# Altium PCB cheriot-test.PcbDoc (part 2 of 12) (continued)
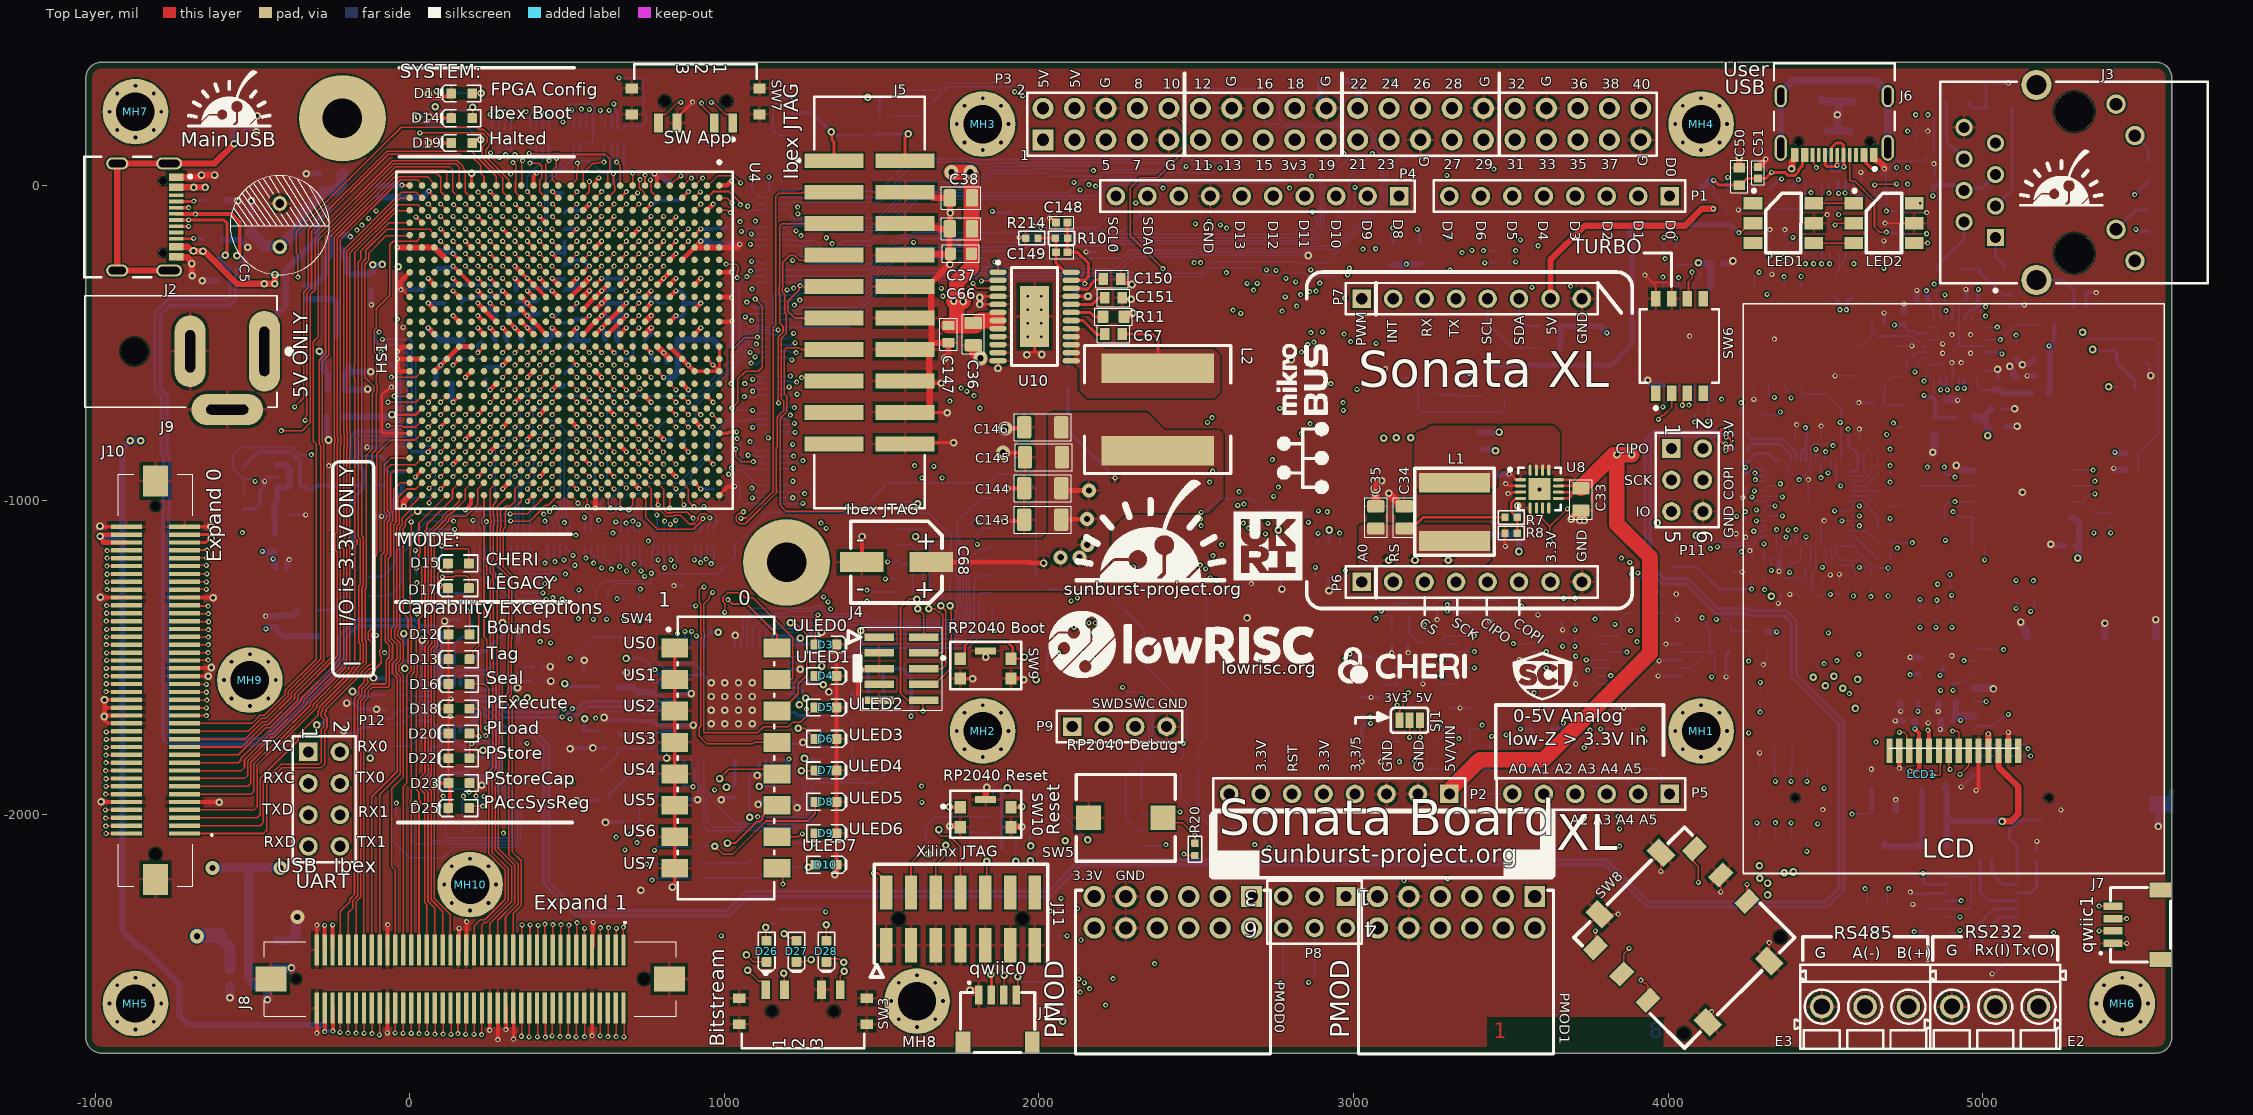
[diagram p0: Top Layer view]
## Footprints (in the part's own frame and the unit in brackets; to place one, negate y for a bottom-side part, rotate by r counter-clockwise, add the part's x,y. Pads: shape width x height; smd on the part's side, far side on the other; paste and mask are expansions set on the pad) (continued)
  round 1.5 hole 0.9: 2(0,2.54) 3(2.54,0) 4(2.54,2.54) 5(5.08,0) 6(5.08,2.54)
  silkscreen extent -1.27,-1.27 6.35,3.81, body extent -1.27,-1.23 6.35,3.77, height 7.01
HDR2X4_XG8T-0841 [mm] "Connector; Header; 4x2 Position"
  rect 1.5x1.5 hole 0.9: 1(0,0)
  round 1.5 hole 0.9: 2(0,2.54) 3(2.54,0) 4(2.54,2.54) 5(5.08,0) 6(5.08,2.54) 7(7.62,0) 8(7.62,2.54)
  silkscreen extent -1.27,-1.27 8.89,3.81, body extent -1.27,-1.23 8.89,3.77, height 2.63
HDR2X20_861400402YO2LF [mm] "Connector; Header; 20x2 Position"
  rect 1.7x1.7 hole 1: 1(0,0)
  round 1.7 hole 1: 2(0,2.54) 3(2.54,0) 4(2.54,2.54) 5(5.08,0) 6(5.08,2.54) 7(7.62,0) 8(7.62,2.54) 9(10.16,0) 10(10.16,2.54) 11(12.7,0) 12(12.7,2.54) 13(15.24,0) 14(15.24,2.54) 15(17.78,0) 16(17.78,2.54) 17(20.32,0) 18(20.32,2.54) 19(22.86,0) 20(22.86,2.54) 21(25.4,0) 22(25.4,2.54) 23(27.94,0) 24(27.94,2.54) 25(30.48,0) 26(30.48,2.54) 27(33.02,0) 28(33.02,2.54) 29(35.56,0) 30(35.56,2.54) 31(38.1,0) 32(38.1,2.54) 33(40.64,0) 34(40.64,2.54) 35(43.18,0) 36(43.18,2.54) 37(45.72,0) 38(45.72,2.54) 39(48.26,0) 40(48.26,2.54)
  silkscreen extent -1.27,-1.27 49.53,3.81, body extent -1.27,-1.27 49.53,3.81, height 9.61
IND_0603 [mm] "Chip Inductor, 2-Leads, Body 1.60x0.80mm, IPC Medium Density"
  rect 0.64x0.92 smd: 1(-0.73,0) 2(0.73,0)
  Top Layer pour cut-out: -0.686,0.457 0.838,0.457 0.838,-0.457 -0.686,-0.457
  silkscreen extent -1.27,-0.64 1.27,0.64, body extent -0.82,-0.43 0.82,0.43, height 0.9
LED-0603-BLUE [mm]
  round 0.254 on Mech15: 0(0,0)
  rrect25% 0.8x0.8 smd: A(-0.85,0) K(0.85,0)
  Top Layer pour cut-out: -0.5,0.5 0.5,0.5 0.5,-0.5 -0.5,-0.5
  silkscreen extent -1.55,-0.67 1.68,0.67, body extent -0.8,-0.4 0.8,0.4, height 0.75
LED-0603-GREEN [mm]
  round 0.254 on Mech15: 0(0,0)
  rrect25% 0.8x0.8 smd: A(-0.85,0) K(0.85,0)
  Top Layer pour cut-out: -0.5,0.5 0.5,0.5 0.5,-0.5 -0.5,-0.5
  silkscreen extent -1.55,-0.67 1.68,0.67, body extent -0.8,-0.4 0.8,0.4, height 0.75
LED-0603-RED [mm]
  round 0.254 on Mech15: 0(0,0)
  rrect25% 0.8x0.8 smd: A(-0.85,0) K(0.85,0)
  Top Layer pour cut-out: -0.5,0.5 0.5,0.5 0.5,-0.5 -0.5,-0.5
  silkscreen extent -1.55,-0.67 1.68,0.67, body extent -0.8,-0.4 0.8,0.4, height 0.75
MOUNT_M3_TIGHT#1 [mil]
  round 14 hole 12: 1(-82.21,0) 1(-58.13,-58.13) 1(-58.13,58.13) 1(0,-82.21) 1(0,82.21) 1(58.13,-58.13) 1(58.13,58.13) 1(82.21,0)
  round 208.66 hole 122.05: 1(0,0)
MOUNT_M3_TIGHT#2 [mil]
  round 14 hole 12: 1(-82.21,0) 1(-58.13,-58.13) 1(-58.13,58.13) 1(0,-82.21) 1(0,82.21) 1(0,82.21) 1(58.13,-58.13) 1(58.13,58.13) 1(82.21,0)
  round 208.66 hole 122.05: 1(0,0)
NR6028 [mm]
  rect 1.6x5.7 smd: 1(-2.35,0) 2(2.35,0)
  silkscreen extent -3.53,-3.2 3.51,3.2, body extent -3.15,-2.84 3.15,2.87, height 2.85
PAN_C10_POS1_NEG2 [mm]
  rect 3.5x1.6 smd: 1(2.8,0) 2(-2.8,0)
  silkscreen extent -3.68,-3.3 3.68,3.3, body extent -3.65,-3.3 3.65,3.3, height 9.91
PS_3_5_90_03 [mm] "PS 3.50/03/90 3.5"
  round 1.9 hole 1.3: A1(-3.5,0) A2(0,0) A3(3.5,0)
  silkscreen extent -5.7,-3.4 5.7,3.4, body extent -5.7,-3.4 5.7,3.4, height 8.41
PW0016A_L [mm] "SOP, 16-Leads, Body 5.1x4.5mm, Pitch 0.65mm, IPC High Density"
  rrect25% 1.2x0.4 smd: 1(-2.85,2.275) 2(-2.85,1.625) 3(-2.85,0.975) 4(-2.85,0.325) 5(-2.85,-0.325) 6(-2.85,-0.975) 7(-2.85,-1.625) 8(-2.85,-2.275) 9(2.85,-2.275) 10(2.85,-1.625) 11(2.85,-0.975) 12(2.85,-0.325) 13(2.85,0.325) 14(2.85,0.975) 15(2.85,1.625) 16(2.85,2.275)
  silkscreen extent -2.98,-2.55 1.85,3.15, body extent -3.21,-2.5 3.21,2.5, height 1
QFN16_50P300X300X100_HS-17M [mm] "QFN, 16-Leads, Body 3.00x3.00mm, Pitch 0.50mm, Thermal Pad 1.80x1.80mm, IPC Low Density"
  oval 0.9x0.25 smd: 1(-1.525,0.75) 2(-1.525,0.25) 3(-1.525,-0.25) 4(-1.525,-0.75) 9(1.525,-0.75) 10(1.525,-0.25) 11(1.525,0.25) 12(1.525,0.75)
  oval 0.25x0.9 smd: 5(-0.75,-1.525) 6(-0.25,-1.525) 7(0.25,-1.525) 8(0.75,-1.525) 13(0.75,1.525) 14(0.25,1.525) 15(-0.25,1.525) 16(-0.75,1.525)
  rect 1.8x1.8 smd: 17(0,0)
  silkscreen extent -2.5,-1.73 1.73,1.73, body extent -1.6,-1.6 1.6,1.6, height 1
QFN40P700X700X90-57N-D [mm]
  rect 0.85x0.2 smd: 1(-3.45,2.6) 2(-3.45,2.2) 3(-3.45,1.8) 4(-3.45,1.4) 5(-3.45,1) 6(-3.45,0.6) 7(-3.45,0.2) 8(-3.45,-0.2) 9(-3.45,-0.6) 10(-3.45,-1) 11(-3.45,-1.4) 12(-3.45,-1.8) 13(-3.45,-2.2) 14(-3.45,-2.6) 29(3.45,-2.6) 30(3.45,-2.2) 31(3.45,-1.8) 32(3.45,-1.4) 33(3.45,-1) 34(3.45,-0.6) 35(3.45,-0.2) 36(3.45,0.2) 37(3.45,0.6) 38(3.45,1) 39(3.45,1.4) 40(3.45,1.8) 41(3.45,2.2) 42(3.45,2.6)
  rect 0.2x0.85 smd: 15(-2.6,-3.45) 16(-2.2,-3.45) 17(-1.8,-3.45) 18(-1.4,-3.45) 19(-1,-3.45) 20(-0.6,-3.45) 21(-0.2,-3.45) 22(0.2,-3.45) 23(0.6,-3.45) 24(1,-3.45) 25(1.4,-3.45) 26(1.8,-3.45) 27(2.2,-3.45) 28(2.6,-3.45) 43(2.6,3.45) 44(2.2,3.45) 45(1.8,3.45) 46(1.4,3.45) 47(1,3.45) 48(0.6,3.45) 49(0.2,3.45) 50(-0.2,3.45) 51(-0.6,3.45) 52(-1,3.45) 53(-1.4,3.45) 54(-1.8,3.45) 55(-2.2,3.45) 56(-2.6,3.45)
  rect 3.2x3.2 smd: 57(0,0)
  silkscreen extent -3.98,3.1 -3.78,3.3, body extent -3.55,-3.55 3.55,3.55, height 0.9
QFN64_2_N [mm] "QFN, 64-Leads, Body 9x9mm, Pitch 0.5mm, Thermal Pad 4.5x4.5mm, IPC Medium Density"
  oval 0.75x0.25 smd: 1(-4.525,3.75) 2(-4.525,3.25) 3(-4.525,2.75) 4(-4.525,2.25) 5(-4.525,1.75) 6(-4.525,1.25) 7(-4.525,0.75) 8(-4.525,0.25) 9(-4.525,-0.25) 10(-4.525,-0.75) 11(-4.525,-1.25) 12(-4.525,-1.75) 13(-4.525,-2.25) 14(-4.525,-2.75) 15(-4.525,-3.25) 16(-4.525,-3.75) 33(4.525,-3.75) 34(4.525,-3.25) 35(4.525,-2.75) 36(4.525,-2.25) 37(4.525,-1.75) 38(4.525,-1.25) 39(4.525,-0.75) 40(4.525,-0.25) 41(4.525,0.25) 42(4.525,0.75) 43(4.525,1.25) 44(4.525,1.75) 45(4.525,2.25) 46(4.525,2.75) 47(4.525,3.25) 48(4.525,3.75)
  oval 0.25x0.75 smd: 17(-3.75,-4.525) 18(-3.25,-4.525) 19(-2.75,-4.525) 20(-2.25,-4.525) 21(-1.75,-4.525) 22(-1.25,-4.525) 23(-0.75,-4.525) 24(-0.25,-4.525) 25(0.25,-4.525) 26(0.75,-4.525) 27(1.25,-4.525) 28(1.75,-4.525) 29(2.25,-4.525) 30(2.75,-4.525) 31(3.25,-4.525) 32(3.75,-4.525) 49(3.75,4.525) 50(3.25,4.525) 51(2.75,4.525) 52(2.25,4.525) 53(1.75,4.525) 54(1.25,4.525) 55(0.75,4.525) 56(0.25,4.525) 57(-0.25,4.525) 58(-0.75,4.525) 59(-1.25,4.525) 60(-1.75,4.525) 61(-2.25,4.525) 62(-2.75,4.525) 63(-3.25,4.525) 64(-3.75,4.525)
  rect 4.5x4.5 smd: 65(0,0)
  silkscreen extent -5.46,-4.69 4.69,4.69, body extent -4.54,-4.54 4.54,4.54, height 1
R-PDSO-G24 [mm] "TI PowerPAD SSOP-24"
  oval 1.4x0.45 smd: 1(-2.95,3.575) 2(-2.95,2.925) 3(-2.95,2.275) 4(-2.95,1.625) 5(-2.95,0.975) 6(-2.95,0.325) 7(-2.95,-0.325) 8(-2.95,-0.975) 9(-2.95,-1.625) 10(-2.95,-2.275) 11(-2.95,-2.925) 12(-2.95,-3.575) 13(2.95,-3.575) 14(2.95,-2.925) 15(2.95,-2.275) 16(2.95,-1.625) 17(2.95,-0.975) 18(2.95,-0.325) 19(2.95,0.325) 20(2.95,0.975) 21(2.95,1.625) 22(2.95,2.275) 23(2.95,2.925) 24(2.95,3.575)
  rect 2.36x4.94 smd: 25(0,0)
  silkscreen extent -3.07,-3.95 1.85,4.47, body extent -3.2,-3.95 3.2,3.95, height 1.2
RESC1005X40N#1 [mm] "Chip Resistor, Body 1.0x0.5mm, EIA 0402, IPC Medium Density"
  round 0.2 on Mech16: 0(0,0)
  rrect20% 0.6x0.6 smd: 1(-0.5,0) 2(0.5,0)
  Top Layer pour cut-out: -0.325,0.375 -0.2,0.5 0.2,0.5 0.325,0.375 0.325,-0.375 0.2,-0.5 -0.2,-0.5 -0.325,-0.375
  silkscreen extent -1.05,-0.55 1.05,0.55, body extent -0.52,-0.27 0.53,0.28, height 0.4
RESC1005X40N#2 [mm] "Chip Resistor, Body 1.0x0.5mm, EIA 0402, IPC Medium Density"
  round 0.2 on Mech15: 0(0,0)
  rrect20% 0.6x0.6 smd: 1(-0.5,0) 2(0.5,0)
  Top Layer pour cut-out: -0.325,0.375 -0.2,0.5 0.2,0.5 0.325,0.375 0.325,-0.375 0.2,-0.5 -0.2,-0.5 -0.325,-0.375
  silkscreen extent -1.05,-0.55 1.05,0.55, body extent -0.52,-0.27 0.53,0.28, height 0.4
RESC1608X55N#1 [mm] "Chip Resistor, Body 1.6x0.8mm, EIA 0603, IPC Medium Density"
  round 0.254 on Mech15: 0(0,0)
  rrect25% 0.9x1 smd: 1(-0.85,0) 2(0.85,0)
  Top Layer pour cut-out: -0.6,0.5 0.6,0.5 0.6,-0.5 -0.6,-0.5
  silkscreen extent -1.5,-0.7 1.5,0.7, body extent -0.87,-0.47 0.88,0.48, height 0.54
RESC1608X55N#2 [mm] "Chip Resistor, Body 1.6x0.8mm, EIA 0603, IPC Medium Density"
  round 0.254 on Mech16: 0(0,0)
  rrect25% 0.9x1 smd: 1(-0.85,0) 2(0.85,0)
  Top Layer pour cut-out: -0.6,0.5 0.6,0.5 0.6,-0.5 -0.6,-0.5
  silkscreen extent -1.5,-0.7 1.5,0.7, body extent -0.87,-0.47 0.88,0.48, height 0.54
RESC2012X70N [mm] "Chip Resistor, Body 2.0x1.2mm, EIA 0805, IPC Medium Density"
  round 0.254 on Mech16: 0(0,0)
  rrect25% 0.8x1.3 smd: 1(-1,0) 2(1,0)
  Top Layer pour cut-out: -0.725,0.65 -0.525,0.85 0.525,0.85 0.725,0.65 0.725,-0.65 0.525,-0.85 -0.525,-0.85 -0.725,-0.65
  silkscreen extent -1.6,-0.85 1.6,0.85, body extent -1.1,-0.67 1.1,0.68, height 0.69
SAMTEC_SSW_106_02_X_D_RA_PMOD [mil]
  rect 66x66 hole 42: 1(0,0)
  round 68 hole 42: 2(0,-100) 3(0,-200) 4(0,-300) 5(0,-400) 6(0,-500) 7(100,0) 8(100,-100) 9(100,-200) 10(100,-300) 11(100,-400) 12(100,-500)
  silkscreen extent -20,-560 500,60, body extent -8,-560 495,60, height 195
SJ_2S_NO [mil] "Solder Jumper, open (no paste)"
  rect 25x50 smd paste-393.7: 1(-16.22,0) 2(16.22,0)
  silkscreen extent -43,-39 43,39
SJ_3S_NC12 [mil] "3-Way Solder Jumper, pads 1-2 closed"
  rect 25x50 smd: 1(-32.43,0) 2(0,0)
  rect 25x50 smd paste-393.7: 3(32.44,0)
  silkscreen extent -60,-39 59,39
SM04B-SRSS-TB(LFSN) [mm]
  rect 0.6x1.55 smd: 1(1.5,4.661) 2(2.5,4.661) 3(3.5,4.661) 4(4.5,4.661)
  rect 1.2x1.8 smd: 5(0.2,0.786) 6(5.8,0.786)
  silkscreen extent 0,0 6,5.7, body extent 0,0.28 6,5.23, height 2.97
SOIC8_NARROW [mm] "SOIC, 8-Leads, Body 5x4mm, Pitch 1.27mm, IPC Low Density"
  rrect15% 1.65x0.65 smd: 1(-2.825,1.905) 2(-2.825,0.635) 3(-2.825,-0.635) 4(-2.825,-1.905) 5(2.825,-1.905) 6(2.825,-0.635) 7(2.825,0.635) 8(2.825,1.905)
  silkscreen extent -2.95,-2.5 1.6,2.91, body extent -3,-2.45 3,2.45, height 1.63
SOT23-5P95_285X145L45X40 [mm] "Small Outline Transistor (SOT23), 0.95 mm pitch; 5 pin, 3.00 mm L X 1.60 mm W X 1.45 mm H body"
  rrect50% 0.6x1.05 smd: 1(-0.95,-1.35) 2(0,-1.35) 3(0.95,-1.35) 4(0.95,1.35) 5(-0.95,1.35)
  silkscreen extent -1.55,-0.85 1.55,0.85, body extent -1.5,-1.43 1.5,1.43, height 1.45
SOT95P237X112-3N [mm] "SOT23, 3-Leads, Body 2.92x2.37mm, Pitch 0.95mm, IPC Medium Density"
  rect 1x0.6 smd: 1(-1.2,0.95) 2(-1.2,-0.95) 3(1.2,0)
  silkscreen extent -1.32,-1.5 0.7,1.92, body extent -1.32,-1.52 1.32,1.52, height 1.12
SOT95P245X110-3M [mm] "SOT23, 3-Leads, Body 2.90x2.45mm, Pitch 0.95mm, IPC Low Density"
  rect 1.2x0.65 smd: 1(-1.3,0.95) 2(-1.3,-0.95) 3(1.3,0)
  silkscreen extent -1.42,-1.5 0.7,1.95, body extent -1.3,-1.5 1.3,1.5, height 1.1
SOT95P280X145-6N [mm] "SOT23, 6-Leads, Body 2.90x2.80mm, Pitch 0.95mm, IPC Medium Density"
  rect 1x0.6 smd: 1(-1.35,0.95) 2(-1.35,0) 3(-1.35,-0.95) 4(1.35,-0.95) 5(1.35,0) 6(1.35,0.95)
  silkscreen extent -1.47,-1.5 0.45,1.93, body extent -1.45,-1.5 1.45,1.5, height 1.45
SOT143B [mm] "SOT143, 4-Leads, Body 2.92x2.37mm, Pitch 1.90mm, IPC Medium Density"
  rect 1x1 smd: 1(-1.2,0.75)
  rect 1x0.6 smd: 2(-1.2,-0.95) 3(1.2,-0.95) 4(1.2,0.95)
  silkscreen extent -1.3,-1.5 0.7,1.65, body extent -1.18,-1.52 1.18,1.52, height 1.2
SOT-223 [mm] "SOT223, 4-Leads, Body 6.50x7.00mm (avg), Pitch 2.30mm, IPC Medium Density"
  rect 2.15x1 smd: 1(-2.925,2.3) 2(-2.925,0) 3(-2.925,-2.3)
  rect 2.15x3.25 smd: 4(2.925,0)
  silkscreen extent -3.05,-3.35 1.55,3.48, body extent -3.5,-3.35 3.5,3.35, height 1.8
TSSOP-ST14_M [mm] "TSOP, 14-Leads, Body 5x4.4mm, Pitch 0.65mm, IPC Low Density"
  oval 2x0.35 smd: 1(-2.9,1.95) 2(-2.9,1.3) 3(-2.9,0.65) 4(-2.9,0) 5(-2.9,-0.65) 6(-2.9,-1.3) 7(-2.9,-1.95) 8(2.9,-1.95) 9(2.9,-1.3) 10(2.9,-0.65) 11(2.9,0) 12(2.9,0.65) 13(2.9,1.3) 14(2.9,1.95)
  silkscreen extent -3.02,-2.55 1.5,2.8, body extent -2.25,-2.55 2.25,2.55, height 1.2
WS2813B_5x5 [mm]
  rect 1.5x1 smd: 1(-2.45,1.6) 2(-2.45,0) 3(-2.45,-1.6) 4(2.45,-1.6) 5(2.45,0) 6(2.45,1.6)
  silkscreen extent -2.5,-2.39 1.44,2.75
WSON68_Micron [mm]
  rect 1.061x0.392 smd paste+0 mask+0: 1(-3.926,1.905)
  rrect100% 1.061x0.392 smd paste+0 mask+0: 2(-3.926,0.635) 3(-3.926,-0.635) 4(-3.926,-1.905) 5(3.926,-1.905) 6(3.926,-0.635) 7(3.926,0.635) 8(3.926,1.905)
  rect 3.5x4.4 smd paste-1000 mask+0: 9(0,0)
  silkscreen extent -5.38,-3 4,3, body extent -4,-3 4,3, height 0.8
XAL1060-222 [mil] "Coilcraft High Temperature Shielded Power Inductors"
  rect 94x358 smd: 1(-131,0) 2(131,0)
  silkscreen extent -204,-233 204,233, body extent -207,-232 207,232, height 236

## Part data
C1 C2 C3 C11 C12 C13 C19 C20 C28 C29 C30 C32 C39 C41 C110 C111 C121 C156 C157 C158 C160 C161: library part CCHIP-2u2-0603, "2u2, 0603", Case-EIA=0603, Case-Metric=1608, Manufacture 1=Samsung, Manufacture Part Number 1=CL10B225KP8NNNC, Rated Voltage=10VDC, Supplier Part Number 1=1276-1134-2-ND, Component Group=Capacitor, Component Type=Standard, Mounting Technology=SMT, Part Number=CCHIP-2u2-0603, Pin Count=2, Supplier 1=Digi-Key
C4 C6 C7 C8 C9 C10 C14 C15 C16 C17 C18 C21 C22 C23 C24 C25 C26 C27 C43 C44 C46 C48 C49 C51 C53 C54 C55 C56 C60 C61 C62 C63 C64 C65 C71 C74 C75 C79 C80 C83 C84 C85 C86 C87 C88 C89 C90 C91 C94 C97 C99 C102 C112 C114 C116 C117 C118 C119 C120 C122 C134 C135 C136 C137 C138 C139 C140 C141 C142 C152 C153 C154 C155 C159: library part CCHIP-100n-0402, "100n, 0402", Case-EIA=0402, Manufacture Part Number 1=CGA2B3X7R1V104K050BB, Supplier Part Number 1=445-6901-1-ND, Component Group=Capacitor, Component Type=Standard, Mounting Technology=SMT, Part Number=CCHIP-100n-0402, Pin Count=2, Supplier 1=Digi-Key
C5: library part Cap_16v_680uF, "Aluminum electrolytic 680uF, 8x16mm, radial", Component Group=Capacitor, Component Type=Standard, Mounting Technology=Through-hole, Part Number=Cap_16v_680uF, Pin Count=2, PP Material Stack=0, PP Rotation=0
C31 C40 C127 C128 C129 C130 C131 C132 C133: library part CCHIP-100n-0402, "100n, 0402", Case-EIA=0402, Supplier Part Number 1=445-6901-1-ND, Component Group=Capacitor, Component Type=Standard, Mounting Technology=SMT, Part Number=CCHIP-100n-0402, Pin Count=2, Supplier 1=Digi-Key
C33 C34 C35 C36 C37 C38: library part CCHIP-22u-0805-16V, "22u, 16V, 0805, Ceramic", Case-EIA=0805, Case-Metric=1608, Manufacture 1="Samsung Electro-Mechanics", Manufacture Part Number 1=CL21A226MOCLRNC, Rated Voltage=16VDC, Supplier Part Number 1=1276-6780-1-ND, Tolerance=20%, Component Group=Capacitor, Component Type=Standard, Mounting Technology=SMT, Part Number=CCHIP-22u-0805-16V, Pin Count=2, RoHS=Yes, Supplier 1=Digi-Key
C42 C45 C47 C57 C81 C82: library part CCHIP-1u-0603, "1u, 0603, 50V", Case-EIA=0603, Case-Metric=1608, Manufacture Part Number 1=CL10A105KB8NNNC, Rated Voltage=50VDC, Supplier Part Number 1=1276-1860-1-ND, Component Group=Capacitor, Component Type=Standard, Mounting Technology=SMT, Part Number=CCHIP-1u-0603, Pin Count=2, Supplier 1=Digi-Key
C50 C69 C70 C72 C73 C76 C100 C101 C123 C124 C125 C126: library part CCHIP-2u2-0603, "2u2, 0603", Case-EIA=0603, Case-Metric=1608, Manufacture 1=Samsung, Manufacture Part Number 1=CL10B225KP8NNNC, Rated Voltage=10VDC, Supplier Part Number 1=1276-1134-1-ND, Component Group=Capacitor, Component Type=Standard, Mounting Technology=SMT, Part Number=CCHIP-2u2-0603, Pin Count=2, Supplier 1=Digi-Key
C52 C67: library part CCHIP-100n-0603, "100n, 0603", Case-EIA=0603, Case-Metric=1608, Manufacture 1=Kemet, Manufacture Part Number 1=C0603C104K5RACTU, Rated Voltage=50VDC, Supplier Part Number 1=399-5089-2-ND, Component Group=Capacitor, Component Type=Standard, Mounting Technology=SMT, Part Number=CCHIP-100n-0603, Pin Count=2, Supplier 1=Digi-Key
C58 C147: library part CCHIP-2u2-0603-25V, "2u2, 0603", Case-EIA=0603, Case-Metric=1608, Manufacture 1="Murata Electronics North America", Manufacture Part Number 1=GRM188R61E225MA12D, Rated Voltage=25VDC, Supplier Part Number 1=490-12738-1-ND, Tolerance=±20%, Component Group=Capacitor, Component Type=Standard, Mounting Technology=SMT, Part Number=CCHIP-2u2-0603-25V, Pin Count=2, RoHS=Yes, Supplier 1=Digi-Key
C59: library part CCHIP-470n-0603-50V, "470n, 0603, 50V", Case-EIA=0603, Manufacture 1="Taiyo Yuden", Manufacture Part Number 1=UMK107B7474KA-TR, Rated Voltage=50VDC, Supplier Part Number 1=587-3170-1-ND, Temperature Range="-55C to 125C", Component Group=Capacitor, Component Type=Standard, Mounting Technology=SMT, Part Number=CCHIP-470n-0603-50V, Pin Count=2, RoHS=Yes, Supplier 1=Digi-Key
C66: library part CCHIP-2N4-0603-50V, "CAP CER 2400PF 50V C0G/NP0 0603", Case-EIA=0603, Case-Metric=1608, Manufacture 1="Murata Electronics North America", Manufacture Part Number 1=GRM1885C1H242JA01D, Rated Voltage=50V, Supplier Part Number 1=490-3282-1-ND, Tolerance=±5%, Component Group=Capacitor, Component Type=Standard, Mounting Technology=SMT, Part Number=CCHIP-2N4-0603-50V, Pin Count=2, PP Material Stack=0, PP Rotation=0, Supplier 1=Digi-Key
C68: library part 2SVPE1200M, "CAP ALUM POLY 1200UF 2.5V SMD", Manufacture 1="Panasonic Electronic Components", Supplier Part Number 1=P16556TR-ND, Component Group=Capacitor, Component Type=Standard, Manufacture Part Number 1=2SVPE1200M, Mounting Technology=SMT, Part Number=2SVPE1200M, Pin Count=2, PP Material Stack=0, PP Rotation=0, Supplier 1=Digi-Key
C77 C78 C92 C93 C95 C96 C108 C109: library part CCHIP-18p-0402, "18p, 0402", Case-EIA=0402, Manufacture Part Number 1=GRM1555C1H180JA01D, Supplier Part Number 1=490-5858-1-ND, Component Group=Capacitor, Component Type=Standard, Mounting Technology=SMT, Part Number=CCHIP-18p-0402, Pin Count=2, Supplier 1=Digi-Key
C98 C103 C104 C105 C106 C107: library part CCHIP-24p-0402, "24p, 0402", Case-EIA=0402, Case-Metric=1005, Manufacture 1="Murata Electronics", Manufacture Part Number 1=GCM1555C1H240FA16D, Rated Voltage=50V, Supplier Part Number 1=490-GCM1555C1H240FA16DTR-ND, Component Group=Capacitor, Component Type=Standard, Mounting Technology=SMT, Part Number=CCHIP-24p-0402, Pin Count=2, RoHS=Yes, Supplier 1=Digi-Key
C113 C115: library part CCHIP-2u2-0603-16V, "2u2, 0603", Case-EIA=0603, Case-Metric=1608, Manufacture 1="Taiyo Yuden", Manufacture Part Number 1=EMK107BJ225KA-T, Rated Voltage=16VDC, Supplier Part Number 1=587-1430-1-ND, Component Group=Capacitor, Component Type=Standard, Mounting Technology=SMT, Part Number=CCHIP-2u2-0603-16V, Pin Count=2, Supplier 1=Digi-Key
C143 C144 C145 C146: library part CCHIP-100u-1206, "CAP CER 100UF 6.3V X5R 1206", Case-EIA=1206, Case-Metric=3216, Manufacture 1="Murata Electronics", Manufacture Part Number 1=GRM31CR60J107ME39L, Rated Voltage=6.3VDC, Supplier Part Number 1=490-4539-2-ND, Component Group=Capacitor, Component Type=Standard, Mounting Technology=SMT, Part Number=CCHIP-100u-1206, Pin Count=2, Supplier 1=Digi-Key
C148 C149: library part CCHIP-DNM-0402, "DNM, 0402", Case-EIA=0402, Component Group=Capacitor, Component Type=Standard, Mounting Technology=SMT, Part Number=CCHIP-DNM-0402, Pin Count=2
C150: library part CCHIP-10n-0603, "10n, 0603", Case-EIA=0603, Case-Metric=1608, Supplier Part Number 1=399-1091-1-ND, Component Group=Capacitor, Component Type=Standard, Mounting Technology=SMT, Part Number=CCHIP-10n-0603, Pin Count=2, Supplier 1=Digi-Key
C151: library part CCHIP-3u3-0603, "3u3, 0603", Case-EIA=0603, Case-Metric=1608, Manufacture 1=Samsung, Manufacture Part Number 1=CL10B335KP8NNNC, Rated Voltage=10VDC, Supplier Part Number 1=1276-2041-1-ND, Component Group=Capacitor, Component Type=Standard, Mounting Technology=SMT, Part Number=CCHIP-3u3-0603, Pin Count=2, Supplier 1=Digi-Key
D3 D6: library part LEDCHIP_0603_BLUE, "Chip LED, Blue", Manufacture 1=Kingbright, Manufacture Part Number 1=APT1608QBC/D, Supplier Part Number 1=754-1434-1-ND, Component Group=Optical, Component Type=Standard, Mounting Technology=SMT, Part Number=LEDCHIP_0603_BLUE, Pin Count=2, Supplier 1=Digi-Key
D4 D7 D9 D11 D14 D15 D26 D27 D28: library part LEDCHIP_0603_GREEN, "Chip LED, Green", Manufacture 1=Kingbright, Manufacture Part Number 1=APT1608CGCK, Supplier Part Number 1=754-1116-1-ND, Component Group=Optical, Component Type=Standard, Mounting Technology=SMT, Part Number=LEDCHIP_0603_GREEN, Pin Count=2, PP Material Stack=16, PP Rotation=-90, Supplier 1=Digi-Key
D5 D8 D10 D12 D13 D16 D17 D18 D19 D20 D22 D23 D25: library part LEDCHIP_0603_RED, "Chip LED, Red", Manufacture 1=Kingbright, Manufacture Part Number 1=APT1608SURCK, Supplier Part Number 1=754-1123-1-ND, Component Group=Optical, Component Type=Standard, Mounting Technology=SMT, Part Number=LEDCHIP_0603_RED, Pin Count=2, PP Material Stack=15, PP Rotation=-90, Supplier 1=Digi-Key
E2 E3: library part CMP-1559-01636-1, "OMNIMATE Signal - series PS", Colour=Orange, Manufacturer=Weidmueller, Rated_current_use_group_B_UL_1059="10 A", Rated_voltage_for_surge_voltage_class_pollution_degree_II_2="320 V", Rated_voltage_use_group_B_UL_1059="300 V", UL_94_flammability_rating=V-0, ComponentLink1Description="Manufacturer URL", ComponentLink1URL=http://www.weidmueller.com/, ComponentLink2Description="URL Link1", ComponentLink2URL=http://catalog.weidmueller.com/catalog/Start.do?localeId=en&ObjectID=1912330000, Contact_material=Cu-Leg, Contact_surface=tinned, Insulating_material="Wemid (PA)", Mounting_onto_the_PCB="Solder connection", No_of_poles=3, PackageReference=PS_3_5_90_03, Packaging=Box, PartNumber=1912330000, Pitch_inch="0,138 inch", Pitch_mm="3,5 mm", Qty="100 PCS", Revision=V1, Short_text_for_material="PS 3.50/03/90 3.5SN OR BX", Side_termination_characteristic="closed side", Solder_pin_length_mm="3,5 mm", Solid_max_H05_07_V_U="1,5 mm²", Solid_min_H05_07_V_U="0,2 mm²", Wire_cross_section_AWG_max_UL_1059="AWG 16", Wire_cross_section_AWG_min_UL_1059="AWG 28"
HS1: "Heatsink, 29mm square", Manufacture 1=Wakefield-Vette, Supplier Part Number 1=345-1834-ND, Component Group=Mechanical, Component Type=Standard, Manufacture Part Number 1=960-29-18-D-AB-0, Part Number=960-29-18-D-AB-0, PP Material Stack=0, PP Rotation=0, PP Rotation1=0, Supplier 1=Digi-Key
J1 J7: "Connector", Arrow Part Number=SM04B-SRSS-TB(LF)(SN), Manufacturer_Name="JST (JAPAN SOLDERLESS TERMINALS)", Arrow Price/Stock=https://www.arrow.com/en/products/sm04b-srss-tb-lf-sn/jst-manufacturing?region=europe, Datasheet Link=http://www.jst-mfg.com/product/pdf/eng/eSH.pdf, Manufacturer_Part_Number=SM04B-SRSS-TB(LF)(SN)
J2 J6: library part CMP-245163-000001-1, "CONN RCPT USB2.0 TYPEC 5A", Current Rating=5/6.25/1.25/0.25A, Manufacturer=GCT, Package=0, Temperature="-40°C to +85°C", Temperature Range High=+85°C, Temperature Range Low=-40°C, Voltage Rating=20V, Automotive=No, Category=Conn, ComponentLink2Description=Datasheet, ComponentLink2URL=https://gct.co/files/drawings/usb4105.pdf, Conn Orientation="Right Angle", Contact Material=Gold,Nickel, Device Class L1=Connectors, Device Class L2="USB Connectors", Device Class L3=unset, Digikey Description="CONN RCPT USB2.0 TYPEC 5A", Height=3.46mm, Is Female=yes, Lead Free=Yes, Manufacturer Part Number=USB4105-GF-A, Number of Contacts=16, Octopart=https://octopart.com/usb4105-gf-a-gct-106627878, RoHS=TRUE, Usb Standard="USB 2.0"
J3: library part CMP-16436-000005-1, "CONN JACK 1PORT 100 BASE-TX PCB", Color=Green, Current Rating=8mA, Max Operating Temperature=70°C, Min Operating Temperature=0°C, Package Quantity=30, Connector Type=RJ45, Contact Material=Bronze, Contact Plating=Gold, Depth=21.59mm, Direction=Down, Gender=Female, Housing Material=Thermoplastic, Lead Free="Lead Free", Length=16.26mm, Mount="Through Hole", Number of Contacts=8, Number of Cores per Jack=4, Number of Ports=1, Number of Positions Loaded=8, Number of Rows=1, Orientation="Right Angle", Packaging=Rail/Tube, Pitch=2.54mm, Radiation Hardening=No, Series="STARJACK™ J00", Shielding=Shielded, Termination=Solder
J4: library part Cortex_Debug_Header_10Pin, "10 Pin Cortex Program & Debug 0.5mm pitch", Manufacture Part Number 1=20021121-00010C4LF, Supplier Part Number 1=609-3695-1-ND, Component Group=Connector, Component Type=Standard, Mounting Technology=SMT, Part Number=Cortex_Debug_Header_10Pin, Pin Count=10, PP Material Stack=0, PP Rotation=0, RoHS=Yes, Supplier 1=Digi-Key
J5: "WR-BHD Male Box Header, SMT Straight, pitch 2.54mm, 2 row, 20 pin", Contact Resistance=20mOhm, Insulation Resistance=1000MOhm, Manufacturer="Wurth Elektronik", Operating Temperature Max=125°C, Operating Temperature Min=-40°C, Rated Current=3A, Withstanding Voltage=500V, Working Voltage=250V, Category="Wire-to-Board Connectors", ComponentLink1Description="Website Link", ComponentLink1URL=https://www.we-online.com/redexpert/article/61232020621?ad, ComponentLink2Description="Datasheet Link", ComponentLink2URL=https://www.we-online.com/redexpert/spec/61232020621?ad, Gender=Male, Height=9.1mm, Length=33.2mm, Manufacturer Part Number=61232020621, Match Code=WR-BHD, Mount="Surface Mount", Number of Pins=20, Number of Rows=2, Orientation=Straight, Packaging="Tape and Reel with Cap", Pitch=2.54mm, Width=9.1mm
J8 J10: "Connector", Manufacturer_Name=Molex, Arrow Part Number=0528850874, Arrow Price/Stock=https://www.arrow.com/en/products/0528850874/molex, Datasheet Link=https://www.molex.com/pdm_docs/sd/528850874_sd.pdf, Height=4.2mm, Manufacturer_Part_Number=0528850874
J9: library part CUI_PJ-058BH, "CONN PWR JACK 2.5X5.5MM SOLDER", Manufacture 1="CUI Inc.", Manufacture Part Number 1=PJ-058BH, Rated Power=5A, Supplier Part Number 1=CP-058BH-ND, Component Group=Connector, Component Type=Standard, Mounting Technology=Through-hole, Part Number=CUI_PJ-058BH, Pin Count=3, PP Material Stack=0, PP Rotation=0, RoHS=Yes, Supplier 1=Digi-Key
J11: "Molex 14-pin SMD, JTAG Pinout", Manufacture 1=Molex, Manufacture 1 Part Number=87832-1420, Supplier Part Number 1=WM18641-ND, Supplier 1=Digi-Key
L1: library part NR6028T4R7M, "fixed ind, ferrite, shielded", Case-Metric=6060, Manufacture 1="Taiyo Yuden", Supplier Part Number 1=587-2100-1-ND, Component Group=Inductor, Component Type=Standard, Manufacture Part Number 1=NR6028T4R7M, Mounting Technology=SMT, Part Number=NR6028T4R7M, Pin Count=2, Supplier 1=Digi-Key
L2: library part XAL1060-222MEB, "2.2uH, 14A RMS", Manufacture 1=Coilcraft, Component Group=Inductor, Component Type=Standard, Manufacture Part Number 1=XAL1060-222MEB, Part Number=XAL1060-222MEB, Pin Count=2, PP Material Stack=0, PP Rotation=0, PP Rotation1=0, Supplier 1=Mouser
L3: library part FBCHIP-600R-0603, "600 Ohm @ 100 MHz, 0.5A rated FB", Case-EIA=0603, Case-Metric=1608, Manufacture 1="Murata Electronics", Manufacture Part Number 1=BLM18AG601SN1D, Rated Power=0.5A, Supplier Part Number 1=490-1014-2-ND, Component Group=Inductor, Component Type=Standard, Part Number=FBCHIP-600R-0603, Pin Count=2, PP Material Stack=0, PP Rotation=0, Supplier 1=Digi-Key
L5 L6 L7 L8 L9: library part FBCHIP-1k-0603, "Ferrite Beads HI CUR CHIP BD 0603 1000OHMS 25%", Manufacture 1="Taiyo Yuden", Manufacture Part Number 1="FBMH1608HM102-T / FBMH1608HM102-T / FBMH1608HM102-T / FBMH1608HM102-T", Supplier Part Number 1=963-FBMH1608HM102-T, Component Group=Inductor, Component Type=Standard, Mounting Technology=SMT, Part Number=FBCHIP-1k-0603, Pin Count=2, PP Material Stack=0, PP Rotation=0, RoHS=Yes, Supplier 1=Mouser
LCD1: library part LCD1.8INCH_ADAFRUIT618, Component Group=Optical, Component Type=Standard, Part Number=LCD1.8INCH_ADAFRUIT618, Pin Count=14, PP Material Stack=0, PP Rotation=0, PP Rotation1=0
LED1 LED2: library part WS2813B_5x5, "WS2813B, 5x5 SMD Neopixel", Manufacture 1="Seeed Studio", Manufacture Part Number 1=601000200, Component Group=Optical, Component Type=Standard, Part Number=WS2813B_5x5, Pin Count=6, PP Material Stack=0, PP Rotation=0, PP Rotation1=0
MH1 MH2 MH3 MH4 MH5 MH6 MH7 MH8 MH9 MH10: library part MOUNT_M3_TIGHT, "Machine screw M3 Mounting Hole", Component Group=Mechanical, Component Type=Mechanical, Part Number=MOUNT_M3_TIGHT, Pin Count=1, PP Material Stack=0, PP Rotation=0
P1 P2 P6 P7: "Header, 8-Pin", LatestRevisionDate=17-Jul-2002, LatestRevisionNote="Re-released for DXP Platform.", Publisher="Altium Limited"
P3: "Header, 20-Pin, Dual row", LatestRevisionDate=17-Jul-2002, LatestRevisionNote="Re-released for DXP Platform.", Publisher="Altium Limited"
P4: "Header, 10-Pin", LatestRevisionDate=17-Jul-2002, LatestRevisionNote="Re-released for DXP Platform.", Publisher="Altium Limited"
P5: "Header, 6-Pin", LatestRevisionDate=17-Jul-2002, LatestRevisionNote="Re-released for DXP Platform.", Publisher="Altium Limited"
P8 P11: "Header, 3-Pin, Dual row", LatestRevisionDate=17-Jul-2002, LatestRevisionNote="Re-released for DXP Platform.", Publisher="Altium Limited"
P9: "Header, 4-Pin", LatestRevisionDate=17-Jul-2002, LatestRevisionNote="Re-released for DXP Platform.", Publisher="Altium Limited"
P12: "Header, 4-Pin, Dual row", LatestRevisionDate=17-Jul-2002, LatestRevisionNote="Re-released for DXP Platform.", Publisher="Altium Limited"
PMOD0 PMOD1: library part PMOD_2ROW_FEMALERATH, Supplier Part Number 1=SAM1215-06-ND, Component Group=Connector, Component Type=Standard, Part Number=PMOD_2ROW_FEMALERATH, Pin Count=12, PP Material Stack=0, PP Rotation=0, PP Rotation1=0, Supplier 1=Digi-Key
Q1 Q4 Q5 Q6: "P-Channel, 3A, Logic Level", Manufacture 1="Diodes Inc.", Supplier Part Number 1=DMP2123LQ-7DICT-ND, Component Group=MOSFET, Component Type=Standard, Manufacture Part Number 1=DMP2123LQ-7, Mounting Technology=SMT, Part Number=DMP2123LQ-7, Pin Count=3, Supplier 1=Digi-Key
Q2: "MOSFET N-CH 30V 2.2A SOT23-3", Manufacture 1="Diodes Inc.", Rated Power=3A, Rated Voltage=30V, Supplier Part Number 1=DMN3200U-7DICT-ND, Component Group=MOSFET, Component Type=Standard, Manufacture Part Number 1=DMN3200U-7, Mounting Technology=SMT, Part Number=DMN3200U-7, Pin Count=3, PP Material Stack=0, PP Rotation=0, RoHS=Yes, Supplier 1=Digi-Key
Q3 Q7: library part DMN3200U-7, "MOSFET N-CH 30V 2.2A SOT23-3", Rated Power=0.22A, Rated Voltage=30V, Component Group=MOSFET, Component Type=Standard, Manufacture Part Number 1=BSS138, Mounting Technology=SMT, Part Number=BSS138, Pin Count=3, PP Material Stack=0, PP Rotation=0, RoHS=Yes, Supplier 1=Digi-Key
R1 R4: library part RCHIP-5K1-0603, "5k1 res, 0603, 1%, 1/10W", Case-EIA=0603, Case-Metric=1608, Manufacture 1=Yageo, Manufacture Part Number 1=RC0603FR-075K1L, Rated Power=0.1W, Rated Voltage=75VDC, Supplier Part Number 1=311-5.10KHRCT-ND, Temperature Range="-55C to 155C", Tolerance=1%, Component Group=Resistor, Component Type=Standard, Mounting Technology=SMT, Part Number=RCHIP-5K1-0603, Pin Count=2, Supplier 1=Digi-Key
R2 R12 R13 R118 R119 R120 R121 R135: library part RCHIP-100K-0402, "100k res, 0402, 1%, 1/16W", Case-EIA=0402, Case-Metric=1005, Manufacture 1=Yageo, Manufacture Part Number 1=RC0402FR-07100KL, Rated Power=0.063W, Rated Voltage=75VDC, Supplier Part Number 1=311-100KLRCT-ND, Temperature Range="-55C to 155C", Tolerance=1%, Component Group=Resistor, Component Type=Standard, Mounting Technology=SMT, Part Number=RCHIP-100K-0402, Pin Count=2, Supplier 1=Digi-Key
R3 R7 R14 R20 R30 R32 R45 R46 R54 R62 R64 R67 R71 R133 R160 R161 R162 R163 R164 R165 R166 R199 R205 R211: library part RCHIP-10K-0402, "10k res, 0402, 1%, 1/16W", Case-EIA=0402, Case-Metric=1005, Manufacture 1=Yageo, Manufacture Part Number 1=RC0402FR-0710KL, Rated Power=0.063W, Rated Voltage=75VDC, Supplier Part Number 1=311-10.0KLRCT-ND, Temperature Range="-55C to 155C", Tolerance=1%, Component Group=Resistor, Component Type=Standard, Mounting Technology=SMT, Part Number=RCHIP-10K-0402, Pin Count=2, Supplier 1=Digi-Key
R5 R6 R21 R39 R134 R136 R137: library part RCHIP-1K-0603, "1k res, 0603, 1%, 1/10W", Case-EIA=0603, Case-Metric=1608, Manufacture 1=Yageo, Manufacture Part Number 1=RC0603FR-071KL, Rated Power=0.1W, Rated Voltage=75VDC, Supplier Part Number 1=311-1.00KHRCT-ND, Temperature Range="-55C to 155C", Tolerance=1%, Component Group=Resistor, Component Type=Standard, Mounting Technology=SMT, Part Number=RCHIP-1K-0603, Pin Count=2, Supplier 1=Digi-Key
R8 R44 R215 R216: library part RCHIP-2K2-0402, "2k2 res, 0402, 1%, 1/16W", Case-EIA=0402, Case-Metric=1005, Manufacture 1=Yageo, Manufacture Part Number 1=RC0402FR-072K2L, Rated Power=0.063W, Rated Voltage=75VDC, Supplier Part Number 1=311-2.20KLRCT-ND, Temperature Range="-55C to 155C", Tolerance=1%, Component Group=Resistor, Component Type=Standard, Mounting Technology=SMT, Part Number=RCHIP-2K2-0402, Pin Count=2, Supplier 1=Digi-Key
R9: library part RCHIP-51R-0603, "51R res, 0603, 1%, 1/10W", Case-EIA=0603, Case-Metric=1608, Manufacture 1=Yageo, Manufacture Part Number 1=RC0603FR-0751RL, Rated Power=0.1W, Rated Voltage=75VDC, Supplier Part Number 1=311-51.0HRCT-ND, Temperature Range="-55C to 155C", Tolerance=1%, Component Group=Resistor, Component Type=Standard, Mounting Technology=SMT, Part Number=RCHIP-51R-0603, Pin Count=2, Supplier 1=Digi-Key
R10: library part RCHIP-14K7-0402, "14k7 res, 0402, 1%, 1/16W", Case-EIA=0402, Case-Metric=1005, Manufacture 1=Yageo, Manufacture Part Number 1=RC0402FR-0714K7L, Rated Power=0.063W, Rated Voltage=75VDC, Supplier Part Number 1=311-14.7KLRCT-ND, Temperature Range="-55C to 155C", Tolerance=1%, Component Group=Resistor, Component Type=Standard, Mounting Technology=SMT, Part Number=RCHIP-14K7-0402, Pin Count=2, Supplier 1=Digi-Key
R11 R31: library part RCHIP-1K5-0603, "1k5 res, 0603, 1%, 1/10W", Case-EIA=0603, Case-Metric=1608, Manufacture 1=Yageo, Manufacture Part Number 1=RC0603FR-071K5L, Rated Power=0.1W, Rated Voltage=75VDC, Supplier Part Number 1=311-1.50KHRCT-ND, Temperature Range="-55C to 155C", Tolerance=1%, Component Group=Resistor, Component Type=Standard, Mounting Technology=SMT, Part Number=RCHIP-1K5-0603, Pin Count=2, Supplier 1=Digi-Key
R15 R17 R18 R72 R75 R84 R91 R98 R105 R112: library part RCHIP-100K-0603, "100k res, 0603, 1%, 1/10W", Case-EIA=0603, Case-Metric=1608, Manufacture 1=Yageo, Manufacture Part Number 1=RC0603FR-07100KL, Rated Power=0.1W, Rated Voltage=75VDC, Supplier Part Number 1=311-100KHRCT-ND, Temperature Range="-55C to 155C", Tolerance=1%, Component Group=Resistor, Component Type=Standard, Mounting Technology=SMT, Part Number=RCHIP-100K-0603, Pin Count=2, Supplier 1=Digi-Key
R16: library part RCHIP-12K-0402, "12k res, 0402, 1%, 1/16W", Case-EIA=0402, Case-Metric=1005, Manufacture 1=Yageo, Manufacture Part Number 1=RC0402FR-0712KL, Rated Power=0.063W, Rated Voltage=75VDC, Supplier Part Number 1=311-12.0KLRCT-ND, Temperature Range="-55C to 155C", Tolerance=1%, Component Group=Resistor, Component Type=Standard, Mounting Technology=SMT, Part Number=RCHIP-12K-0402, Pin Count=2, Supplier 1=Digi-Key
R19 R122 R123 R124: library part RCHIP-0R-0603, "0R, 0603, 1/10W", Case-EIA=0603, Case-Metric=1608, Manufacture 1=Yageo, Manufacture Part Number 1=RC0603FR-070RL, Rated Power=0.1W, Rated Voltage=75VDC, Supplier Part Number 1=311-0.0HRCT-ND, Temperature Range="-55C to 155C", Tolerance=1%, Component Group=Resistor, Component Type=Standard, Mounting Technology=SMT, Part Number=RCHIP-0R-0603, Pin Count=2, Supplier 1=Digi-Key
R22 R24 R26 R28 R34 R35 R36 R41 R208 R209 R213: library part RCHIP-DNM-0603, "Do Not Mount Resistor", Case-EIA=0603, Case-Metric=1608, Component Group=Resistor, Component Type=Standard, Mounting Technology=SMT, Part Number=RCHIP-DNM-0603, Pin Count=2
R23: library part RCHIP-47K-0402, "47k res, 0402, 1%, 1/16W", Case-EIA=0402, Case-Metric=1005, Manufacture 1=Yageo, Manufacture Part Number 1=RC0402FR-0747KL, Rated Power=0.063W, Rated Voltage=75VDC, Supplier Part Number 1=311-47.0KLRCT-ND, Temperature Range="-55C to 155C", Tolerance=1%, Component Group=Resistor, Component Type=Standard, Mounting Technology=SMT, Part Number=RCHIP-47K-0402, Pin Count=2, Supplier 1=Digi-Key
R25 R214: library part RCHIP-22K-0402, "22k res, 0402, 1%, 1/16W", Case-EIA=0402, Case-Metric=1005, Manufacture 1=Yageo, Manufacture Part Number 1=RC0402FR-0722KL, Rated Power=0.063W, Rated Voltage=75VDC, Supplier Part Number 1=311-22.0KLRCT-ND, Temperature Range="-55C to 155C", Tolerance=1%, Component Group=Resistor, Component Type=Standard, Mounting Technology=SMT, Part Number=RCHIP-22K-0402, Pin Count=2, Supplier 1=Digi-Key
R27 R29: library part RCHIP-33R-0603, "33R res, 0603, 1%, 1/10W", Case-EIA=0603, Case-Metric=1608, Manufacture 1=Yageo, Manufacture Part Number 1=RC0603FR-0733RL, Rated Power=0.1W, Rated Voltage=75VDC, Supplier Part Number 1=311-33.0HRCT-ND, Temperature Range="-55C to 155C", Tolerance=1%, Component Group=Resistor, Component Type=Standard, Mounting Technology=SMT, Part Number=RCHIP-33R-0603, Pin Count=2, Supplier 1=Digi-Key
R33 R82: library part RCHIP-10R-0603, "10R res, 0603, 1%, 1/10W", Case-EIA=0603, Case-Metric=1608, Manufacture 1=Yageo, Manufacture Part Number 1=RC0603FR-0710RL, Rated Power=0.1W, Rated Voltage=75VDC, Supplier Part Number 1=311-10.0HRCT-ND, Temperature Range="-55C to 155C", Tolerance=1%, Component Group=Resistor, Component Type=Standard, Mounting Technology=SMT, Part Number=RCHIP-10R-0603, Pin Count=2, Supplier 1=Digi-Key
R37 R129: library part RCHIP-2K7-0402, "2k7 res, 0402, 1%, 1/16W", Case-EIA=0402, Case-Metric=1005, Manufacture 1=Yageo, Manufacture Part Number 1=RC0402FR-072K7L, Rated Power=0.063W, Rated Voltage=75VDC, Supplier Part Number 1=311-2.70KLRCT-ND, Temperature Range="-55C to 155C", Tolerance=1%, Component Group=Resistor, Component Type=Standard, Mounting Technology=SMT, Part Number=RCHIP-2K7-0402, Pin Count=2, Supplier 1=Digi-Key
R38 R42 R53 R80 R88 R95 R102 R109 R116 R138 R139 R140 R141 R142 R143 R144 R145 R146 R147 R148 R149 R150 R151 R153 R154 R155 R156 R157 R158 R159 R192 R200 R201 R202 R210: library part RCHIP-1K-0402, "1k res, 0402, 1%, 1/16W", Case-EIA=0402, Case-Metric=1005, Manufacture 1=Yageo, Manufacture Part Number 1=RC0402FR-071KL, Rated Power=0.063W, Rated Voltage=75VDC, Supplier Part Number 1=311-1.00KLRCT-ND, Temperature Range="-55C to 155C", Tolerance=1%, Component Group=Resistor, Component Type=Standard, Mounting Technology=SMT, Part Number=RCHIP-1K-0402, Pin Count=2, Supplier 1=Digi-Key
R40: library part RCHIP-120R-0603, "120R res, 0603, 1%, 1/10W", Case-EIA=0603, Case-Metric=1608, Manufacture 1=Yageo, Manufacture Part Number 1=RC0603FR-07120RL, Rated Power=0.1W, Rated Voltage=75VDC, Supplier Part Number 1=311-120HRCT-ND, Temperature Range="-55C to 155C", Tolerance=1%, Component Group=Resistor, Component Type=Standard, Mounting Technology=SMT, Part Number=RCHIP-120R-0603, Pin Count=2, Supplier 1=Digi-Key
R43 R212: library part RCHIP-12K-0603, "12k res, 0603, 1%, 1/10W", Case-EIA=0603, Case-Metric=1608, Manufacture 1=Yageo, Manufacture Part Number 1=RC0603FR-0712KL, Rated Power=0.1W, Rated Voltage=75VDC, Supplier Part Number 1=311-12.0KHRCT-ND, Temperature Range="-55C to 155C", Tolerance=1%, Component Group=Resistor, Component Type=Standard, Mounting Technology=SMT, Part Number=RCHIP-12K-0603, Pin Count=2, Supplier 1=Digi-Key